# Altium PCB IMPORT PCB1.PcbDoc (continued)
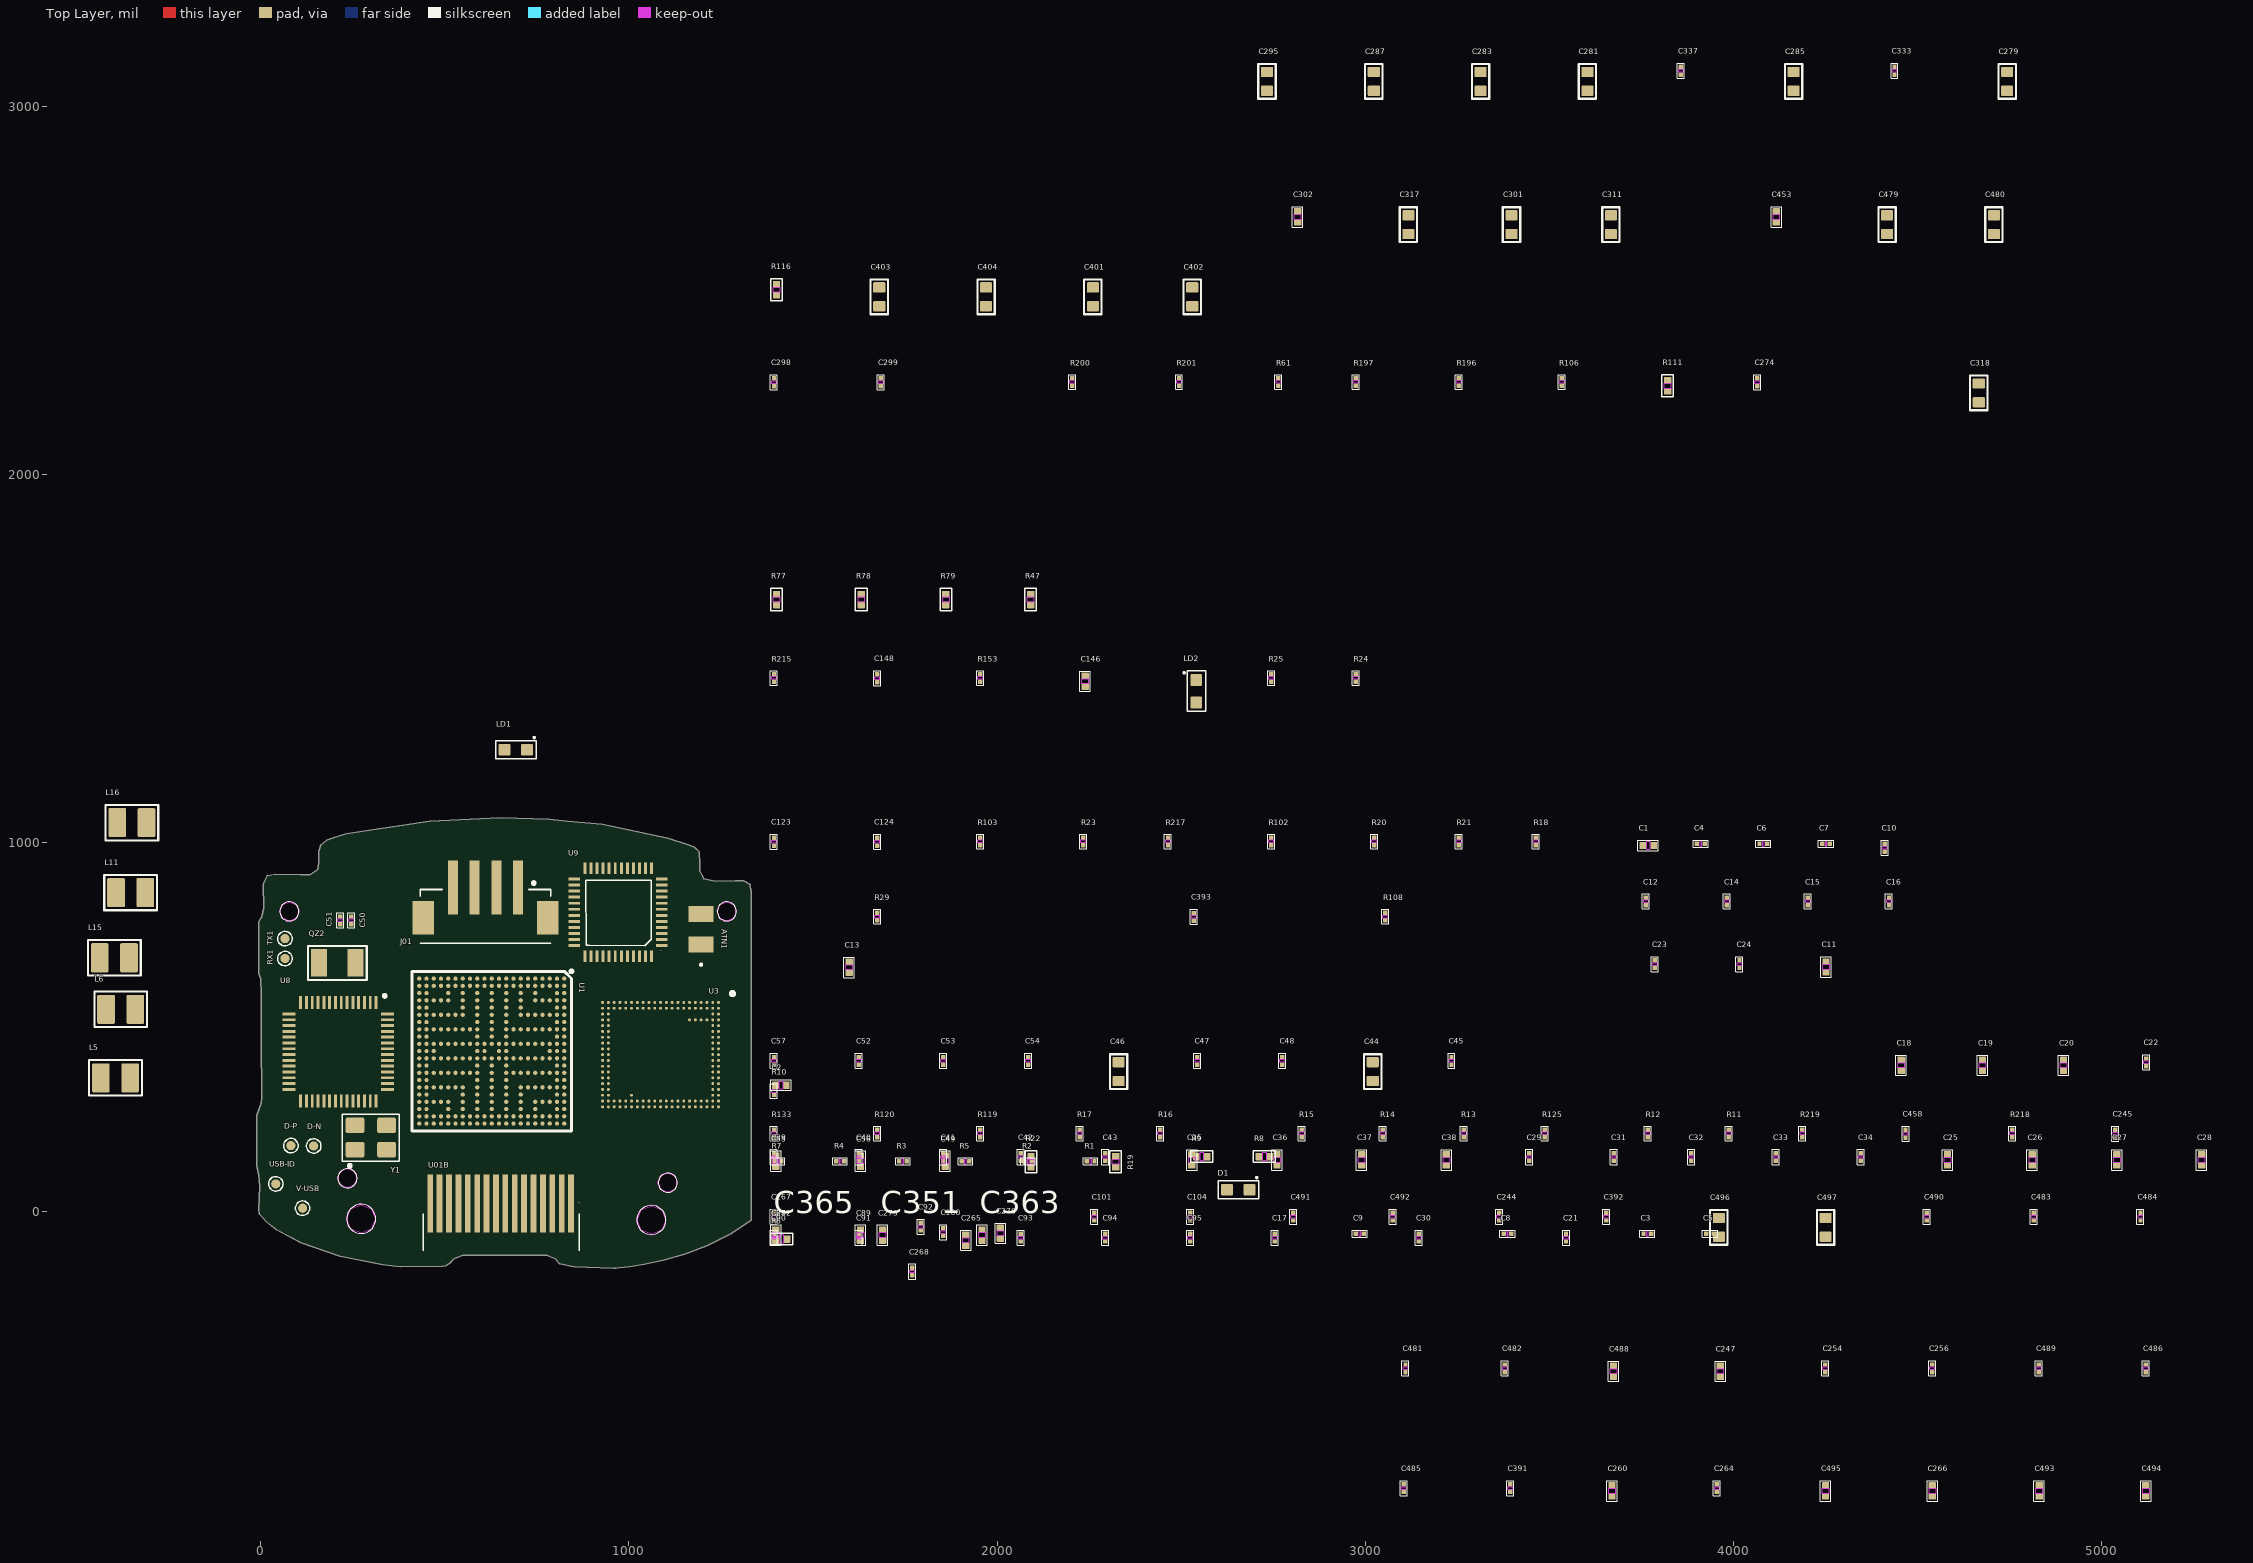
[diagram p0: Top Layer view]
## Components (designator, comment, footprint, x,y, rotation, side; value= is the part's Value field where it differs from the comment) (continued)
USB-ID "Test Pin1" "Test Pin" 41,74 r90 top
V-USB "Test Pin1" "Test Pin" 114,8 r90 top
Y1 "24MHz" OSCCC320X250X60 299.09,199.93 r90 top

## Footprints (in the part's own frame and the unit in brackets; to place one, negate y for a bottom-side part, rotate by r counter-clockwise, add the part's x,y. Pads: shape width x height; smd on the part's side, far side on the other; paste and mask are expansions set on the pad)
"0201_CC - C" [mil] "0201_CC\By AAR"
  rrect15% 12x12 smd mask+1.97: 1(-10.51,0) 2(10.51,0)
  Top Layer keep-out region: -2.64,7.87 -2.64,-7.87 2.64,-7.87 2.64,7.87 -2.64,7.87
  Top Layer keep-out region: -2.64,7.87 -2.64,-7.87 2.64,-7.87 2.64,7.87 -2.64,7.87
  silkscreen extent -20,-9 20,9, body extent -14,-6 14,6, height 12
0201_RES [mil] "0201_CC\By AAR"
  rrect15% 12x12 smd mask+1.97: 1(-10.51,0) 2(10.51,0)
  Top Layer keep-out region: -2.64,7.87 -2.64,-7.87 2.64,-7.87 2.64,7.87 -2.64,7.87
  Top Layer keep-out region: -2.64,7.87 -2.64,-7.87 2.64,-7.87 2.64,7.87 -2.64,7.87
  silkscreen extent -20,-9 20,9, body extent -17,-6 17,6, height 12
"0402_CC - C" [mil] "0402_CC\By AAR"
  rrect15% 18x20 smd mask+1.97: 1(-14.76,0) 2(14.76,0)
  Top Layer keep-out region: -5.75,10 -5.75,-10 5.75,-10 5.75,10 -5.75,10
  Top Layer keep-out region: -5.75,10 -5.75,-10 5.75,-10 5.75,10 -5.75,10
  silkscreen extent -28,-14 28,14, body extent -23,-10 23,10, height 20
0402_CC_RES [mil] "0402_CC_INDUCTOR\By AAR"
  rrect15% 18x20 smd mask+3.15: 1(-14.76,0) 2(14.76,0)
  Top Layer keep-out region: -5.75,10 -5.75,-10 5.75,-10 5.75,10 -5.75,10
  Top Layer keep-out region: -5.75,10 -5.75,-10 5.75,-10 5.75,10 -5.75,10
  silkscreen extent -30,-16 30,16, body extent -20,-10 20,10, height 19
0603_CC [mil] "CAP_NP_0603_CC_DISCRETE_1MM_150\By AAR"
  rrect20% 28x33 smd mask+3.15: 1(-25.59,0) 2(25.59,0)
  silkscreen extent -47,-24 47,24, body extent -37,-16 37,16, height 32
BGA306C50P21X21_1100X1100X101 [mm]
  round 0.29 smd: A1(-5,5) A2(-4.5,5) A3(-4,5) A4(-3.5,5) A5(-3,5) A6(-2.5,5) A7(-2,5) A8(-1.5,5) A9(-1,5) A10(-0.5,5) A11(0,5) A12(0.5,5) A13(1,5) A14(1.5,5) A15(2,5) A16(2.5,5) A17(3,5) A18(3.5,5) A19(4,5) A20(4.5,5) A21(5,5) AA1(-5,-5) AA2(-4.5,-5) AA3(-4,-5) AA4(-3.5,-5) AA5(-3,-5) AA6(-2.5,-5) AA7(-2,-5) AA8(-1.5,-5) AA9(-1,-5) AA10(-0.5,-5) AA11(0,-5) AA12(0.5,-5) AA13(1,-5) AA14(1.5,-5) AA15(2,-5) AA16(2.5,-5) AA17(3,-5) AA18(3.5,-5) AA19(4,-5) AA20(4.5,-5) AA21(5,-5) B1(-5,4.5) B2(-4.5,4.5) B3(-4,4.5) B4(-3.5,4.5) B5(-3,4.5) B6(-2.5,4.5) B7(-2,4.5) B8(-1.5,4.5) B9(-1,4.5) B10(-0.5,4.5) B11(0,4.5) B12(0.5,4.5) B13(1,4.5) B14(1.5,4.5) B15(2,4.5) B16(2.5,4.5) B17(3,4.5) B18(3.5,4.5) B19(4,4.5) B20(4.5,4.5) B21(5,4.5) C1(-5,4) C2(-4.5,4) C4(-3.5,4) C6(-2.5,4) C8(-1.5,4) C10(-0.5,4) C11(0,4) C12(0.5,4) C14(1.5,4) C16(2.5,4) C18(3.5,4) C20(4.5,4) C21(5,4) D1(-5,3.5) D2(-4.5,3.5) D4(-3.5,3.5) D6(-2.5,3.5) D8(-1.5,3.5) D10(-0.5,3.5) D12(0.5,3.5) D14(1.5,3.5) D16(2.5,3.5) D18(3.5,3.5) D20(4.5,3.5) D21(5,3.5) E1(-5,3) E2(-4.5,3) E3(-4,3) E4(-3.5,3) E6(-2.5,3) E8(-1.5,3) E10(-0.5,3) E12(0.5,3) E14(1.5,3) E16(2.5,3) E18(3.5,3) E19(4,3) E20(4.5,3) E21(5,3) F1(-5,2.5) F2(-4.5,2.5) F6(-2.5,2.5) F8(-1.5,2.5) F10(-0.5,2.5) F12(0.5,2.5) F14(1.5,2.5) F16(2.5,2.5) F20(4.5,2.5) F21(5,2.5) G1(-5,2) G2(-4.5,2) G3(-4,2) G4(-3.5,2) G5(-3,2) G6(-2.5,2) G8(-1.5,2) G10(-0.5,2) G12(0.5,2) G14(1.5,2) G16(2.5,2) G17(3,2) G18(3.5,2) G19(4,2) G20(4.5,2) G21(5,2) H1(-5,1.5) H2(-4.5,1.5) H8(-1.5,1.5) H10(-0.5,1.5) H12(0.5,1.5) H14(1.5,1.5) H20(4.5,1.5) H21(5,1.5) J1(-5,1) J2(-4.5,1) J3(-4,1) J4(-3.5,1) J5(-3,1) J6(-2.5,1) J7(-2,1) J8(-1.5,1) J9(-1,1) J10(-0.5,1) J11(0,1) J12(0.5,1) J13(1,1) J14(1.5,1) J15(2,1) J16(2.5,1) J17(3,1) J18(3.5,1) J19(4,1) J20(4.5,1) J21(5,1) K1(-5,0.5) K2(-4.5,0.5) K10(-0.5,0.5) K11(0,0.5) K12(0.5,0.5) K20(4.5,0.5) K21(5,0.5) L1(-5,0) L2(-4.5,0) L3(-4,0) L4(-3.5,0) L5(-3,0) L6(-2.5,0) L7(-2,0) L8(-1.5,0) L9(-1,0) L10(-0.5,0) L12(0.5,0) L13(1,0) L14(1.5,0) L15(2,0) L16(2.5,0) L17(3,0) L18(3.5,0) L19(4,0) L20(4.5,0) L21(5,0) M1(-5,-0.5) M2(-4.5,-0.5) M10(-0.5,-0.5) M11(0,-0.5) M12(0.5,-0.5) M20(4.5,-0.5) M21(5,-0.5) N1(-5,-1) N2(-4.5,-1) N3(-4,-1) N4(-3.5,-1) N5(-3,-1) N6(-2.5,-1) N7(-2,-1) N8(-1.5,-1) N9(-1,-1) N10(-0.5,-1) N11(0,-1) N12(0.5,-1) N13(1,-1) N14(1.5,-1) N15(2,-1) N16(2.5,-1) N17(3,-1) N18(3.5,-1) N19(4,-1) N20(4.5,-1) N21(5,-1) P1(-5,-1.5) P2(-4.5,-1.5) P8(-1.5,-1.5) P10(-0.5,-1.5) P12(0.5,-1.5) P14(1.5,-1.5) P20(4.5,-1.5) P21(5,-1.5) R1(-5,-2) R2(-4.5,-2) R3(-4,-2) R4(-3.5,-2) R5(-3,-2) R6(-2.5,-2) R8(-1.5,-2) R10(-0.5,-2) R12(0.5,-2) R14(1.5,-2) R16(2.5,-2) R17(3,-2) R18(3.5,-2) R19(4,-2) R20(4.5,-2) R21(5,-2) T1(-5,-2.5) T2(-4.5,-2.5) T6(-2.5,-2.5) T8(-1.5,-2.5) T10(-0.5,-2.5) T12(0.5,-2.5) T14(1.5,-2.5) T16(2.5,-2.5) T20(4.5,-2.5) T21(5,-2.5) U1(-5,-3) U2(-4.5,-3) U3(-4,-3) U4(-3.5,-3) U6(-2.5,-3) U8(-1.5,-3) U10(-0.5,-3) U12(0.5,-3) U14(1.5,-3) U16(2.5,-3) U18(3.5,-3) U19(4,-3) U20(4.5,-3) U21(5,-3) V1(-5,-3.5) V2(-4.5,-3.5) V4(-3.5,-3.5) V6(-2.5,-3.5) V8(-1.5,-3.5) V10(-0.5,-3.5) V12(0.5,-3.5) V14(1.5,-3.5) V16(2.5,-3.5) V18(3.5,-3.5) V20(4.5,-3.5) V21(5,-3.5) W1(-5,-4) W2(-4.5,-4) W4(-3.5,-4) W6(-2.5,-4) W8(-1.5,-4) W10(-0.5,-4) W11(0,-4) W12(0.5,-4) W14(1.5,-4) W16(2.5,-4) W18(3.5,-4) W20(4.5,-4) W21(5,-4) Y1(-5,-4.5) Y2(-4.5,-4.5) Y3(-4,-4.5) Y4(-3.5,-4.5) Y5(-3,-4.5) Y6(-2.5,-4.5) Y7(-2,-4.5) Y8(-1.5,-4.5) Y9(-1,-4.5) Y10(-0.5,-4.5) Y11(0,-4.5) Y12(0.5,-4.5) Y13(1,-4.5) Y14(1.5,-4.5) Y15(2,-4.5) Y16(2.5,-4.5) Y17(3,-4.5) Y18(3.5,-4.5) Y19(4,-4.5) Y20(4.5,-4.5) Y21(5,-4.5)
  silkscreen extent -5.6,-5.5 5.5,5.6, body extent -5.5,-5.5 5.5,5.5, height 1.01
"CAM Footprint" [mm]
  rect 4x0.4 smd: 1(0,0) 2(0,0.647) 3(0,1.295) 4(0,1.942) 5(0,2.59) 6(0,3.237) 7(0,3.885) 8(0,4.532) 9(0,5.18) 10(0,5.827) 11(0,6.475) 12(0,7.122) 13(0,7.77) 14(0,8.417) 15(0,9.065) 16(0,9.712)
  silkscreen extent -3.26,-0.56 -0.7,10.19
FBGA144C40P19X21_800X950X80 [mm] "BGA, 144-Leads, Body 8.00x9.50mmx0.80mm, Pitch 0.40mm"
  round 0.2 smd: A1(-3.6,4) A2(-3.2,4) A3(-2.8,4) A4(-2.4,4) A5(-2,4) A6(-1.6,4) A7(-1.2,4) A8(-0.8,4) A9(-0.4,4) A10(0,4) A11(0.4,4) A12(0.8,4) A13(1.2,4) A14(1.6,4) A15(2,4) A16(2.4,4) A17(2.8,4) A18(3.2,4) A19(3.6,4) AA1(-3.6,-4) AA2(-3.2,-4) AA3(-2.8,-4) AA4(-2.4,-4) AA5(-2,-4) AA6(-1.6,-4) AA7(-1.2,-4) AA8(-0.8,-4) AA9(-0.4,-4) AA10(0,-4) AA11(0.4,-4) AA12(0.8,-4) AA13(1.2,-4) AA14(1.6,-4) AA15(2,-4) AA16(2.4,-4) AA17(2.8,-4) AA18(3.2,-4) AA19(3.6,-4) B1(-3.6,3.6) B2(-3.2,3.6) B3(-2.8,3.6) B4(-2.4,3.6) B5(-2,3.6) B6(-1.6,3.6) B7(-1.2,3.6) B8(-0.8,3.6) B9(-0.4,3.6) B10(0,3.6) B11(0.4,3.6) B12(0.8,3.6) B13(1.2,3.6) B14(1.6,3.6) B15(2,3.6) B16(2.4,3.6) B17(2.8,3.6) B18(3.2,3.6) B19(3.6,3.6) C1(-3.6,3.2) C2(-3.2,3.2) C18(3.2,3.2) C19(3.6,3.2) D1(-3.6,2.8) D2(-3.2,2.8) D18(3.2,2.8) D19(3.6,2.8) E1(-3.6,2.4) E2(-3.2,2.4) E18(3.2,2.4) E19(3.6,2.4) F1(-3.6,2) F2(-3.2,2) F18(3.2,2) F19(3.6,2) G1(-3.6,1.6) G2(-3.2,1.6) G18(3.2,1.6) G19(3.6,1.6) H1(-3.6,1.2) H2(-3.2,1.2) H18(3.2,1.2) H19(3.6,1.2) J1(-3.6,0.8) J2(-3.2,0.8) J18(3.2,0.8) J19(3.6,0.8) K1(-3.6,0.4) K2(-3.2,0.4) K18(3.2,0.4) K19(3.6,0.4) L1(-3.6,0) L2(-3.2,0) L18(3.2,0) L19(3.6,0) M1(-3.6,-0.4) M2(-3.2,-0.4) M18(3.2,-0.4) M19(3.6,-0.4) N1(-3.6,-0.8) N2(-3.2,-0.8) N18(3.2,-0.8) N19(3.6,-0.8) P1(-3.6,-1.2) P2(-3.2,-1.2) P18(3.2,-1.2) P19(3.6,-1.2) R1(-3.6,-1.6) R2(-3.2,-1.6) R18(3.2,-1.6) R19(3.6,-1.6) T(-2.4,3.2) T(-2.4,2) T(-2.4,2.4) T(-2.4,2.8) T1(-3.6,-2) T2(-3.2,-2) T18(2.8,-2) T18(3.2,-2) T19(3.6,-2) U1(-3.6,-2.4) U2(-3.2,-2.4) U18(3.2,-2.4) U19(3.6,-2.4) V1(-3.6,-2.8) V2(-3.2,-2.8) V18(3.2,-2.8) V19(3.6,-2.8) W1(-3.6,-3.2) W2(-3.2,-3.2) W18(3.2,-3.2) W19(3.6,-3.2) Y1(-3.6,-3.6) Y2(-3.2,-3.6) Y3(-2.8,-3.6) Y4(-2.4,-3.6) Y5(-2,-3.6) Y6(-1.6,-3.6) Y7(-1.2,-3.6) Y8(-0.8,-3.6) Y9(-0.4,-3.6) Y10(0,-3.6) Y11(0.4,-3.6) Y12(0.8,-3.6) Y13(1.2,-3.6) Y14(1.6,-3.6) Y15(2,-3.6) Y16(2.4,-3.6) Y17(2.8,-3.6) Y18(3.2,-3.6) Y19(3.6,-3.6)
  silkscreen extent -4.33,4.84 -4.09,5.09, body extent -4,-4.75 4,4.75, height 0.8
ind_sph2520 [mil] "INDUCTOR_IND_SPH2520_DISCRETE_1\By AAR"
  rrect15% 48x79 smd mask+3.94: 1(-39.75,0) 2(39.75,0)
  silkscreen extent -72,-48 72,48, body extent -49,-39 50,39, height 53
JST_B4B-ZR-SM4-TFT(LF)(SN) [mm]
  rect 0.7x3.7 smd: 1(-2.25,-2) 2(-0.75,-2) 3(0.75,-2) 4(2.25,-2)
  rect 1.5x2.3 smd: S1(4.3,0.1) S2(-4.3,0.1)
  silkscreen extent -4.5,-2.4 4.5,1.85, body extent -4.5,-3.35 4.5,1.85, height 5
LED_0603 [mil] "LED_0603\AAR"
  rrect20% 33x31 smd mask+1.97: A(-30.51,0) C(30.51,0)
  silkscreen extent -55,-25 55,35, body extent -32,-16 31,16, height 8
M310220 [mm]
  rect 1.1x1.7 smd: 1(-1.05,0) 2(1.05,0)
  silkscreen extent -2.5,-0.05 -2.4,0.05, body extent -1.53,-0.75 1.47,0.75, height 1.08
OSCCC320X250X60 [mm]
  rrect25% 1.09x1.29 smd: 1(-0.84,1.09) 2(-0.84,-1.09) 3(0.84,-1.09) 4(0.84,1.09)
  silkscreen extent -2.05,-1.98 1.62,1.98, body extent -1.25,-1.6 1.25,1.6, height 0.83
QFN40P700X700X100-57N-D [mm]
  rect 0.9x0.2 smd: 1(-3.4,2.6) 2(-3.4,2.2) 3(-3.4,1.8) 4(-3.4,1.4) 5(-3.4,1) 6(-3.4,0.6) 7(-3.4,0.2) 8(-3.4,-0.2) 9(-3.4,-0.6) 10(-3.4,-1) 11(-3.4,-1.4) 12(-3.4,-1.8) 13(-3.4,-2.2) 14(-3.4,-2.6) 29(3.4,-2.6) 30(3.4,-2.2) 31(3.4,-1.8) 32(3.4,-1.4) 33(3.4,-1) 34(3.4,-0.6) 35(3.4,-0.2) 36(3.4,0.2) 37(3.4,0.6) 38(3.4,1) 39(3.4,1.4) 40(3.4,1.8) 41(3.4,2.2) 42(3.4,2.6)
  rect 0.2x0.9 smd: 15(-2.6,-3.4) 16(-2.2,-3.4) 17(-1.8,-3.4) 18(-1.4,-3.4) 19(-1,-3.4) 20(-0.6,-3.4) 21(-0.2,-3.4) 22(0.2,-3.4) 23(0.6,-3.4) 24(1,-3.4) 25(1.4,-3.4) 26(1.8,-3.4) 27(2.2,-3.4) 28(2.6,-3.4) 43(2.6,3.4) 44(2.2,3.4) 45(1.8,3.4) 46(1.4,3.4) 47(1,3.4) 48(0.6,3.4) 49(0.2,3.4) 50(-0.2,3.4) 51(-0.6,3.4) 52(-1,3.4) 53(-1.4,3.4) 54(-1.8,3.4) 55(-2.2,3.4) 56(-2.6,3.4)
  silkscreen extent -3.95,3.1 -3.75,3.3, body extent -3.55,-3.55 3.55,3.55, height 1
RTL8723DS-CG [mm]
  rect 0.8x0.2 smd: 1(0,0) 2(0,-0.418) 3(0,-0.836) 4(0,-1.254) 5(0,-1.672) 6(0,-2.09) 7(0,-2.508) 8(0,-2.926) 9(0,-3.344) 10(0,-3.761) 11(0,-4.179) 12(0,-4.597) 25(6.045,-4.597) 26(6.045,-4.179) 27(6.045,-3.761) 28(6.045,-3.344) 29(6.045,-2.926) 30(6.045,-2.508) 31(6.045,-2.09) 32(6.045,-1.672) 33(6.045,-1.254) 34(6.045,-0.836) 35(6.045,-0.418) 36(6.045,0)
  rect 0.2x0.8 smd: 13(0.711,-5.334) 14(1.129,-5.334) 15(1.547,-5.334) 16(1.965,-5.334) 17(2.383,-5.334) 18(2.801,-5.334) 19(3.219,-5.334) 20(3.637,-5.334) 21(4.055,-5.334) 22(4.473,-5.334) 23(4.891,-5.334) 24(5.309,-5.334) 37(5.309,0.737) 38(4.891,0.737) 39(4.473,0.737) 40(4.055,0.737) 41(3.637,0.737) 42(3.219,0.737) 43(2.801,0.737) 44(2.383,0.737) 45(1.965,0.737) 46(1.547,0.737) 47(1.129,0.737) 48(0.711,0.737)
  silkscreen extent 0.74,-4.52 5.25,0, body extent -0.66,-5.91 6.74,1.29, height 0.5
"Test Pin" [mil]
  round 25 smd: 1(0,0)
  silkscreen extent -20,-20 20,20
"XTAL_ABS07-32.768KHZ-T - duplicate" [mm] "XTAL_ABS07-32.768KHZ-T\By AAR"
  rect 1.1x1.9 smd: 1(-1.25,0) 2(1.25,0)
  silkscreen extent -2.02,-1.18 2.04,1.18, body extent -1.6,-0.75 1.6,0.75, height 0.9

## Part data
ATN1: "Antennas Ceramic Chip ANTENNA BT/WLAN 2.4-2.5GHz", Manufacturer_Name="Kyocera AVX", Geometry.Height=1.18mm, Manufacturer_Part_Number=M310220
C1 C4 C6 C7 C10 C11 C12 C14 C15 C16: library part CAP_NP
  C1 C4 C6 C10 C11 C12 C14 C16: CLASS=DISCRETE
C2 C363: library part CAP_NP, "CAP CER 2.2uF 10V 10% X5R 0402", Package Size=0402, Tolerance=10%, Voltage=10V, AGILE_PN=150-78974, CAD_APPROVED=Yes, CLASS=DISCRETE, FPLIST=CC0402_25,CC0402_HD,0402_CC, HEIGHT="0.55 MM", MFG_NAME01=TDK, MFG_PN01=C1005X5R1A225K, PCB Footprint=0402_CC, ROHS=Yes
C3 C5 C8 C9 C17 C21 C30 C100 C101 C104 C148 C244 C264 C392 C393 C485 C486 C491 C492: library part CAP_NP, "CAP CER 0.22UF 10V 20% X5R 0201", Tolerance=20%, Voltage=10V, AGILE_PN=150-78815, CAD_APPROVED=Yes, CLASS=DISCRETE, HEIGHT=0.33MM, MFG_NAME01="Taiyo Yuden", MFG_PN01=LMK063BJ224MP-F, PCB Footprint=0201_CC, ROHS=Yes
  C3 C5 C8 C9 C17 C21 C100 C101 C104 C148 C264 C392 C393 C485 C486 C491 C492: FPLIST=CC0201,CC0201_HD,0201_CC
  C30: FPLIST=CC0201,CC0201_HD,0201_CC,0201_CC_012SM_NSP
  C244: FPLIST=CC0201,CC0201_HD,0201_CC,CC_0201_CIR,0201_CC_012SM_NSP
C13 C146 C260 C302 C453: library part CAP_NP, "CAP CER 4.7uF 10V 10% X5R 0402", Tolerance=10%, Voltage=10V, AGILE_PN=150-80044, CAD_APPROVED=Yes, CLASS=DISCRETE, FPLIST=CC0402_25,CC0402_HD,0402_CC, HEIGHT=0.65MM, MFG_NAME01="Samsung Electro Mechanics", MFG_PN01=CL05A475KP5NRNC, PCB Footprint=0402_CC, ROHS=Yes
C18 C19 C20 C25 C26 C27 C28 C35 C36 C37 C38 C50: library part CAP_NP, Voltage=6.3V, CLASS=DISCRETE
C22 C23 C24 C29 C31 C32 C33 C34 C39 C40 C41 C42 C43 C44 C45 C46 C47 C48 C51 C52 C53 C54: library part CAP_NP, Voltage=10V, CLASS=DISCRETE
C49 C55 C56: library part CAP_NP, "CAP CER 10PF 25V 5% C0G 0402", Package Size="Paper Tape (7\" Reel)", Package Type=0402, Tolerance=5%, Voltage=25V, AGILE_PN=150-30134, CAD_APPROVED=Yes, CLASS=DISCRETE, FPLIST=CC0402_25,CC0402_HD,0402_CC, HEIGHT="0.635 MM", MFG_NAME01="VENKEL COMPANY", MFG_PN01=C0402C0G250-100JNP, PCB Footprint=0402_CC, ROHS=Yes
  C55 C56: ASSY_OPT=DNP
C57 C90 C91 C92 C93 C94 C95 C254 C256 C267 C274 C333 C337 C391 C458 C481 C482 C483 C484 C489 C490: library part CAP_NP, "CAP CER 1uF 6.3V 20% X5R 0201", Package Size=0201, Package Type="7¡± reel", Tolerance=20%, Voltage=6.3V, AGILE_PN=150-79407, CAD_APPROVED=Yes, CLASS=DISCRETE, FPLIST=CC0201,CC0201_HD,0201_CC,0201_CC_012SM_NSP, HEIGHT=0.35MM, MFG_NAME01=AVX, MFG_PN01=02016D105MAT2A, PCB Footprint=0201_CC, ROHS=Yes
  C458: ASSY_OPT=DNP
C88 C89 C247 C265 C266 C488 C493 C494 C495: library part CAP_NP, "CAP CER 10UF 6.3V 20% X5R 0402", Tolerance=20%, Voltage=6.3V, AGILE_PN=150-79163, CAD_APPROVED=Yes, CLASS=DISCRETE, FPLIST=CC0402_25,CC0402_HD,0402_CC, HEIGHT="0.65 MM", MFG_NAME01="SAMSUNG ELECTRO MECHANICS", MFG_PN01=CL05A106MQ5NUNC, PCB Footprint=0402_CC, ROHS=Yes
C123 C124: library part CAP_NP, "CAP CER 12PF 25V 5% C0G AEC-Q200 0201", Tolerance=5%, Voltage=25V, AGILE_PN=150-79813, CAD_APPROVED=Yes, CLASS=DISCRETE, FPLIST=CC0201,CC0201_HD,0201_CC, HEIGHT=0.33MM, MFG_NAME01=TDK, MFG_PN01=CGA1A2C0G1E120J030BA, PCB Footprint=0201_CC, ROHS=Yes
C245 C298 C299: library part CAP_NP, "CAP CER 18pF 50V 5% C0G 0201", Package Size=0201, Package Type="&#966;180mm Paper taping", Tolerance=5%, Voltage=50V, AGILE_PN=150-79476, CAD_APPROVED=Yes, CLASS=DISCRETE, FPLIST=CC0201,CC0201_HD,0201_CC, HEIGHT=0.33MM, MFG_NAME01=MURATA, MFG_PN01=GRM0335C1H180JA01D, PCB Footprint=0201_CC, ROHS=Yes
C268: library part CAP_NP, "CAP CER 2200PF 16V 10% X7R 0201", Tolerance=20%, Voltage=16V, AGILE_PN=150-78660, CAD_APPROVED=Yes, CLASS=DISCRETE, FPLIST=CC0201,CC0201_HD,0201_CC, HEIGHT="0.33 MM", MFG_NAME01=MURATA, MFG_PN01=GRM033R71C222KA88D, PCB Footprint=0201_CC, ROHS=Yes
C272 C351 C365: library part CAP_NP, "CAP CER 1uF 10V 10% X7S 0402", Package Size=0402, Temp Range="-55C - 125C", Tolerance=10%, Voltage=10, AGILE_PN=150-80357, CAD_APPROVED=Yes, CLASS=DISCRETE, FPLIST=CC0402_25,CC0402_HD,0402_CC, HEIGHT=0.6MM, MFG_NAME01=MURATA, MFG_PN01=GRM155C71A105KE11D, PCB Footprint=0402_CC, ROHS=Yes, Temp_Range="-55C - 125C"
C273 C276: library part CAP_NP, "CAP CER 1.0UF 10V 10% X5R 0402", Package Size=0402, Voltage=10V, AGILE_PN=150-75772, CAD_APPROVED=Yes, CLASS=DISCRETE, FPLIST=CC0402_25,CC0402_HD,0402_CC, HEIGHT=0.6MM, MFG_NAME01="YAGEO AMERICA", MFG_PN01=CC0402KRX5R6BB105, PCB Footprint=0402_CC, ROHS=Yes
C279 C281 C295 C301 C401 C402: library part CAP_NP, "CAP CER 10.0uF 16V 10% X5R 0603", Package Size=0603, Package Type=SMT, Temp Range="-55¡ãC to +85¡ãC", Tolerance=10%, Voltage=16V, AGILE_PN=150-80060, CAD_APPROVED=Yes, CLASS=DISCRETE, FPLIST=CC0603_OV,CC0603,0603_CC,cc0603_0805_nsp, HEIGHT=0.9MM, MFG_NAME01=MURATA, MFG_PN01=GRM188R61C106KAALD, PCB Footprint=CC0603, ROHS=Yes, Temp_Range="-55¡ãC to +85¡ãC"
C283 C285 C287 C311 C317 C318 C403 C404 C479 C480 C496 C497: library part CAP_NP, "CAP CER 22uF 10V 20% X5R 0603", Package Size=0603, Tolerance=20%, Voltage=10V, AGILE_PN=150-79530, CAD_APPROVED=Yes, CLASS=DISCRETE, FPLIST=CC0603_OV,CC0603,0603_CC, HEIGHT=1MM, MFG_NAME01=TDK, MFG_PN01=C1608X5R1A226M080AC, PCB Footprint=CC0603, ROHS=Yes, SIGNAL_MODEL=DEFAULT_CAPACITOR_2.2e+07pF_2_1, WVDC=6.3V
  C287 C479 C480: ASSY_OPT=DNP
D1 LD1 LD2: library part LED, "LED GRN SGL 25MA SMT 0603", Voltage=2V, AGILE_PN=370-76672, CAD_APPROVED=Yes, CLASS=IC, HEIGHT="0.8 MM", MFG_NAME01=DIALIGHT, MFG_PN01=598-8070-107F, PCB Footprint=LED_0603, ROHS=Yes
J01: library part "Header 4", LatestRevisionDate=17-Jul-2002, LatestRevisionNote="Re-released for DXP Platform.", Publisher="Altium Limited"
L5 L6 L11 L15 L16: library part INDUCTOR, "IND PWR 0.47uH@1MHZ 4.7A 20% SMT", Temp Range="-40¡ãC to +125¡ãC", Tolerance=20%, AGILE_PN=180-78647, CAD_APPROVED=Yes, CLASS=DISCRETE, HEIGHT=1.2MM, MFG_NAME01="SHENZHEN SUNLORD ELECTRONICS CO., LTD", MFG_PN01=WPN252012ER47MT, PART_TYPE=INDUCTOR\POWER, PCB Footprint=ind_sph2520, ROHS=Yes, Temp_Range="-40¡ãC to +125¡ãC", TOL=20%
  L16: ASSY_OPT=DNP
QZ2: library part XTAL, "XTAL 32.768KHZ 12.5PF 20PPM 3.2X1.5MM SMT", AGILE_PN=230-77653, CAD_APPROVED=Yes, CLASS=IC, HEIGHT=0.9MM, MFG_NAME01="Abracon Corporation", MFG_PN01=ABS07-32.768KHZ-T, PCB Footprint=XTAL2-3P2X1P5-SM, ROHS=Yes
R1 R2 R7: library part RES, "RES MF 240 OHM 1/20W 1% 0201", Temp Range="-55¡ãC ~ 125¡ãC", Tolerance=1%, Voltage=25V, AGILE_PN=470-81317, CAD_APPROVED=Yes, CLASS=DISCRETE, FPLIST=CC0201,CC0201_HD,0201_CC, HEIGHT=0.26MM, MFG_NAME01="YAGEO AMERICA", MFG_PN01=RC0201FR-07240RL, PCB Footprint=0201_CC, ROHS=Yes, Temp_Range="-55¡ãC ~ 125¡ãC"
R3 R4 R5 R18 R23 R119 R120 R153: library part RES, "RES MF 10K 1/20W 5% 0201", Tolerance=5%, AGILE_PN=470-79719, CAD_APPROVED=Yes, CLASS=DISCRETE, FPLIST=RC0201,0201_CC, HEIGHT="0.26 MM", MFG_NAME01="RALEC ELECTRONIC CORP", MFG_PN01=RTT01103JTH, PCB Footprint=0201_CC, ROHS=Yes
  R3 R5 R119 R120: ASSY_OPT=DNP
R6 R8 R9 R19 R22 R111 R116: library part RES, "RES MF ZERO OHM 1/16W 5% 0402", Tolerance=5%, Voltage=1/16W, AGILE_PN=470-75394, CAD_APPROVED=Yes, CLASS=DISCRETE, HEIGHT="0.45 MM", MFG_NAME01="YAGEO AMERICA", MFG_PN01=RC0402JR-070RL, PCB Footprint=0402_CC, ROHS=Yes
  R6: ASSY_OPT=DNP, FPLIST=RC0402_25,RC0402_HD,RC0402_X2,0402_CC
  R8 R9 R19 R22: FPLIST=RC0402_25,RC0402_HD,RC0402_X2,0402_CC, SIGNAL_MODEL=DEFAULT_RESISTOR_10000OHM_2_1, TOL=1%
  R111: SIGNAL_MODEL=DEFAULT_RESISTOR_10000OHM_2_1, TOL=1%
  R116: ASSY_OPT=DNP
R10 R11 R12 R13 R14 R15 R16 R17 R133 R196 R197 R200 R201: library part RES, "RES MF 4.7K 1/20W 5% AEC-Q200 0201", Temp Range="-55C to +155C", Tolerance=5%, AGILE_PN=470-79700, CAD_APPROVED=Yes, CLASS=DISCRETE, FPLIST=RC0201,0201_CC, HEIGHT=0.25MM, MFG_NAME01="KOA SPEER", MFG_PN01=RK73B1HTTC472J, PCB Footprint=0201_CC, ROHS=Yes, Temp_Range="-55C to +155C"
  R12 R13 R14 R15 R16 R17 R196 R197 R200 R201: ASSY_OPT=DNP
R20 R21 R61 R102 R103 R106 R217 R219: library part RES, "RES MF 100K 1/20W 1% 0201", Tolerance=1%, AGILE_PN=470-77704, CAD_APPROVED=Yes, CLASS=DISCRETE, FPLIST=RC0201,0201_CC, HEIGHT=0.26MM, MFG_NAME01=SKYMOS, MFG_PN01=RC-0201-104FT, PCB Footprint=0201_CC, ROHS=Yes
  R61 R102 R106 R217 R219: ASSY_OPT=DNP
R24 R25 R125 R218: library part RES, "RES MF 1.0K OHM 1/20W 1% 30V -55+155C 0201", Temp Range="-55¡ãC ~ 155¡ãC", Tolerance=1%, Voltage=30, AGILE_PN=470-82221, CAD_APPROVED=Yes, CLASS=DISCRETE, FPLIST=RC0201,0201_CC, HEIGHT=0.28MM, MFG_NAME01="VISHAY INTERTECHNOLOGY", MFG_PN01=CRCW02011K00FNED, PCB Footprint=0201_CC, ROHS=Yes, Temp_Range="-55¡ãC ~ 155¡ãC"
  R218: ASSY_OPT=DNP
R29: library part RES, "RES MF 200 OHM 1/20W 1% 0201", Temp Range="-55¡ãC ~ 125¡ãC", Tolerance=1%, Voltage=25V, AGILE_PN=470-82323, CAD_APPROVED=Yes, CLASS=DISCRETE, FPLIST=RC0201,0201_CC, HEIGHT=0.26MM, MFG_NAME01="YAGEO AMERICA", MFG_PN01=RC0201FR-07200RL, PCB Footprint=0201_CC, ROHS=Yes, Temp_Range="-55¡ãC ~ 125¡ãC"
R47 R77 R78 R79: library part RES, "RES MF 10K 1/16W 5% 0402", Tolerance=5%, AGILE_PN=470-75557, ASSY_OPT=DNP, CAD_APPROVED=Yes, CLASS=DISCRETE, FPLIST=RC0402_25,RC0402_HD,0402_CC, HEIGHT="0.4 MM", MFG_NAME01="VISHAY INTERTECHNOLOGY", MFG_PN01=CRCW040210K0JNED, PCB Footprint=0402_CC, ROHS=Yes, TOL=5%
R108: library part RES, "RES MF 30K 1/20W 1% 0201", Temp Range="-55¡ãC ~ 155¡ãC", Tolerance=1%, Voltage=25V, AGILE_PN=470-81353, CAD_APPROVED=Yes, CLASS=DISCRETE, FPLIST=RC0201,0201_CC, HEIGHT=0.26MM, MFG_NAME01="YAGEO AMERICA", MFG_PN01=RC0201FR-0730KL, PCB Footprint=0201_CC, ROHS=Yes, Temp_Range="-55¡ãC ~ 155¡ãC"
R215: library part RES, "RES MF 12K 1/20W 1% 0201", Tolerance=1%, Voltage=1/20W, AGILE_PN=470-77701, CAD_APPROVED=Yes, CLASS=DISCRETE, FPLIST=RC0201,0201_CC, HEIGHT=0.26MM, MFG_NAME01=SKYMOS, MFG_PN01=RC-0201-123FT, PCB Footprint=0201_CC, ROHS=Yes
U1: library part MIMX8MN, "IC CPU QUAD CORTEX A53+M7 1.4GHZ -- BGA306", Temp Range="-40¡ãC to 105¡ãC", AGILE_PN=TMP-CIP-5098, CAD_APPROVED=Yes, CLASS=IC, HEIGHT=1.01MM, MFG_NAME01="NXP SEMICONDUCTORS", MFG_PN01=MIMX8MN5CVPIZAA, PCB Footprint=pbga306_0p5_sq11mm, PRE_APN=330-77152, ROHS=Yes
U8: library part PCA9450_HVQFN56P_A, "IC POWER MANAGEMENT 2.7-5.5V HVQFN56", Temp Range="-40C to +105C", Voltage=2.7-5.5V, AGILE_PN=TMP-WF-36197, CAD_APPROVED=Yes, CLASS=IC, HEIGHT=1MM, MFG_NAME01="NXP SEMICONDUCTORS", MFG_PN01=PCA9450BHN, PCB Footprint=hvqfn56_0p4_7x7_ep4p7mm, PRE_APN=315-82314, ROHS=Yes, SPLIT_INST=TRUE, SWAP_INFO=(S1+S2+S3), Temp_Range="-40C to +105C"
Y1: library part XTAL_13, "XTAL 24MHZ 9pF -- SMT 3.2X2.5MM", AGILE_PN=230-77392, CAD_APPROVED=Yes, CLASS=IC, HEIGHT=0.60MM, MFG_NAME01="EPSON TOYOCOM CORPORATION", MFG_PN01="TSX-3225 24.0000MF15X-AC3", PCB Footprint=xtlosc4_3p2x2p5mm_sm, ROHS=Yes

## Nets (pads, with @x,y where several pads share a name; then routed paths per layer and width w, separated by ;. In a path a pad name is that pad's centre, name@x,y a point inside that pad or via, vN(x,y) a via of type N, cw(c..) or ccw(c..) an arc to the next point about the centre after c; other vN are vias at no path point)
BOOT_MODE0: R47.1 U1.G16
BOOT_MODE1: R79.1 U1.G18
BOOT_MODE2: R78.1 U1.F16
BOOT_MODE3: R77.1 U1.G17
BT_CTS: U1.B10
BT_CTS_RES: U9.26
BT_RXD: TX1.1 U1.E10
BT_RXD_RES: U9.25
BT_TXD: RX1.1 U1.A9
BT_TXD_RES: U9.27
BT_WAKE_DEV: U1.T20
BT_WAKE_HOST: U1.R20 U9.18 U9.19
CLK_32K_OUT: U8.7
CLKIN1: U1.E20
CLKIN2: U1.F20
CLKOUT1: U1.E21
CLKOUT2: U1.F21
CSI_CK_N: U01B.1
CSI_CK_P: U01B.2
CSI_CKN: U1.A13
CSI_CKP: U1.B13
CSI_D0_N: U01B.3
CSI_D0_P: U01B.4
CSI_D1_N: U01B.5
CSI_D1_P: U01B.6
CSI_D2_N: U01B.7
CSI_D2_P: U01B.8
CSI_D3_N: U01B.9
CSI_D3_P: U01B.10
CSI_DN0: U1.A11
CSI_DN1: U1.A12
CSI_DN2: U1.A14
CSI_DN3: U1.A15
CSI_DP0: U1.B11
CSI_DP1: U1.B12
CSI_DP2: U1.B14
CSI_DP3: U1.B15
DDR_ADDR0: U1.Y3
DDR_ADDR1: U1.AA2
DDR_ADDR2: U1.Y2
DDR_ADDR3: U1.L5
DDR_ADDR4: U1.Y1
DDR_ADDR5: U1.M1 U3.Y5
DDR_ADDR6: U1.L1 U3.AA6
DDR_ADDR7: U1.M2 U3.Y7
DDR_ADDR8: U1.L2 U3.AA7
DDR_ADDR9: U1.E4
DDR_ADDR10: U1.W1
DDR_ADDR11: U1.R2 U3.Y13
DDR_ADDR12: U1.R1 U3.AA13
DDR_ADDR13: U1.AA3
DDR_ADDR14: U1.G4 U3.Y9
DDR_ADDR15: U1.D4
DDR_BA0: U1.V4
DDR_BA1: U1.W2
DDR_BA2: U1.G5 U3.AA9
DDR_CAS_B: U1.U2
DDR_CKE0: U1.P1 U3.Y11
DDR_CKE1: U1.N1
DDR_CLK_N: U1.J5
DDR_CLK_P: U1.J4
DDR_CS_B: U1.N2 U3.Y12
DDR_DM0: U1.B2 U3.U19
DDR_DM1: U1.H2 U3.U1
DDR_DQ0: U1.B3 U3.M19
DDR_DQ1: U1.A2 U3.M18
DDR_DQ2: U1.A3 U3.N18
DDR_DQ3: U1.B4 U3.P19
DDR_DQ4: U1.E2 U3.W19
DDR_DQ5: U1.D1 U3.W18
DDR_DQ6: U1.C1 U3.Y17
DDR_DQ7: U1.D2 U3.Y16
DDR_DQ8: U1.G1 U3.M1
DDR_DQ9: U1.H1 U3.M2
DDR_DQ10: U1.J1 U3.N2
DDR_DQ11: U1.J2 U3.P1
DDR_DQ12: U1.K1 U3.W1
DDR_DQ13: U1.K2 U3.W2
DDR_DQ14: U1.F2 U3.Y3
DDR_DQ15: U1.E1 U3.AA4
DDR_DQS0_N: U1.C2 U3.R18
DDR_DQS0_P: U1.B1 U3.R19
DDR_DQS1_N: U1.F1 U3.R2
DDR_DQS1_P: U1.G2 U3.R1
DDR_ODT: U1.V1
DDR_RAS_B: U1.U4
DDR_WE_B: U1.V2
DRAM_nRESET: R4.2 U1.N4 U3.F1
ECSPI2_MISO: U1.B5
ECSPI2_MOSI: U1.A6
ECSPI2_SCLK: U1.A4
ECSPI2_SS0: U1.A5
ENET_MDC: U1.Y18
ENET_MDIO: U1.T16
ENET_RD0: U1.AA19
ENET_RD1: U1.Y15
ENET_RD2: U1.Y16
ENET_RD3: U1.AA16
ENET_RX_CTL: U1.V16
ENET_RXC: U1.U16
ENET_TD0: U1.U18
ENET_TD1: U1.AA18
ENET_TD2: U1.V18
ENET_TD3: U1.AA17
ENET_TX_CTL: U1.Y17
ENET_TXC: U1.Y19
GND: ATN1.2 C1.1 C2.2 C3.2 C4.1 C5.2 C6.1 C7.1 C8.2 C9.2 C10.1 C11.1 C12.1 C13.2 C14.1 C15.1 C16.1 C17.2 C18.2 C19.2 C20.2 C21.2 C22.2 C23.2 C24.2 C25.2 C26.2 C27.2 C28.2 C29.2 C30.2 C31.2 C32.2 C33.2 C34.2 C35.2 C36.2 C37.2 C38.2 C39.2 C40.2 C41.2 C42.2 C43.2 C44.2 C45.2 C46.2 C47.2 C48.2 C50.2 C51.2 C52.2 C53.2 C54.2 C55.2 C56.2 C57.2 C88.2 C89.2 C90.2 C91.2 C92.2 C93.2 C94.2 C95.2 C100.2 C101.2 C104.2 C123.2 C124.2 C146.2 C148.2 C244.2 C245.2 C247.2 C254.2 C256.2 C260.2 C264.2 C265.2 C266.2 C267.2 C268.2 C272.2 C273.1 C274.1 C276.2 C279.2 C281.2 C283.2 C285.2 C287.2 C295.2 C298.2 C299.2 C301.2 C302.2 C311.2 C317.2 C318.2 C333.2 C337.2 C351.2 C363.2 C365.2 C391.2 C392.2 C393.2 C401.1 C402.1 C403.2 C404.2 C453.2 C479.2 C480.2 C481.2 C482.2 C483.2 C484.2 C485.2 C486.2 C488.2 C489.2 C490.2 C491.2 C492.2 C493.2 C494.2 C495.2 C496.2 C497.2 J01.2 LD1.C LD2.C R4.1 R7.1 R18.2 R23.2 R29.2 R103.2 R215.2 U1.A1 U1.A21 U1.AA1 U1.AA21 U1.B20 U1.C4 U1.C6 U1.C8 U1.C10 U1.C12 U1.C14 U1.C16 U1.C18 U1.E3 U1.E19 U1.G3 U1.G19 U1.H8 U1.H10 U1.H12 U1.H14 U1.J3 U1.J8 U1.J14 U1.J19 U1.K11 U1.L3 U1.L8 U1.L14 U1.L19 U1.M11 U1.N3 U1.N8 U1.N14 U1.N19 U1.P8 U1.P10 U1.P12 U1.P14 U1.R3 U1.R19 U1.U3 U1.U19 U1.W4 U1.W6 U1.W8 U1.W10 U1.W12 U1.W14 U1.W16 U1.W18 U3.A2 U3.A3 U3.A5 U3.A6 U3.A16 U3.A18 U3.AA2 U3.AA8 U3.AA12 U3.AA17 U3.AA18 U3.B1 U3.B2 U3.B4 U3.B9 U3.B11 U3.B14 U3.B16 U3.B19 U3.C1 U3.C18 U3.C19 U3.F2 U3.H1 U3.H2 U3.H18 U3.H19 U3.L1 U3.L19 U3.P2 U3.P18 U3.T1 U3.T19 U3.U2 U3.U18 U3.Y1 U3.Y6 U3.Y10 U3.Y15 U3.Y19 U8.5 U8.43 U9.35 U9.39 Y1.2 Y1.4
GPIO1_IO01: U1.R8
GPIO1_IO05: U1.T8
GPIO1_IO06: U1.Y8
GPIO1_IO07: U1.U8
GPIO1_IO08: U1.V10
GPIO1_IO09: U1.AA9
GPIO1_IO10: U1.AA10
GPIO1_IO11: U1.Y11
GPIO1_IO12: U1.U10
GPIO1_IO13: U1.T10
GPIO1_IO14: U1.Y10
GPIO1_IO15: U1.AA11
I2C1_SCL: R10.2 U1.B7
I2C1_SDA: R11.2 U1.A7
I2C2_SCL: R12.2 U1.F10
I2C2_SDA: R13.2 U1.D8
I2C3_SCL: R14.2 U1.F8
I2C3_SDA: R15.2 U1.E8
I2C4_SCL: R16.2 U1.B8
I2C4_SDA: R17.2 U1.A8
JTAG_MOD: R23.1 U1.D18
JTAG_TCK: R18.1 U1.D21
JTAG_TDI: U1.C21
JTAG_TDO: U1.D20
JTAG_TMS: 
JTAG_TMS_R: U1.E18
LX1: L6.1 U8.36 U8.37
LX2: L5.1 U8.45 U8.46
LX4: L11.1 U8.19 U8.20
LX5: U8.15
LX6: L15.1 U8.50 U8.51
M.2_32K_OUT: R116.2
NetATN1_1: ATN1.1 C49.2 C56.1
NetC49_1: C49.1 C55.1 U9.48
NetC148_1: C148.1 R153.2 R215.1
NetC245_1: C245.1 U1.H21
NetC268_1: C268.1 U1.D12
NetC458_2: C458.2 R218.2
NetD1_A: D1.A R125.2
NetD1_C: D1.C
NetL16_1: L16.1 U8.31 U8.32
NetLD1_A: LD1.A R24.2
NetLD2_A: LD2.A R25.2
NetR1_2: R1.2 U3.G2
NetR2_2: R2.2 U3.G1
NetR7_2: R7.2 U1.U1
NetR24_1: R24.1 U9.44
NetR25_1: R25.1 U9.42
NetR29_1: R29.1 U1.B16
NetR48_2: U8.41
NetR51_2: U8.39
NetR52_2: U8.40
NetR54_2: U8.42
NetR55_2: R106.2 U8.28
NetR108_1: R108.1 U1.A16
NetR111_1: R111.1 U8.6
NetR114_1: U8.9
NetR127_2: U8.8
NetR195_1: U8.30
NetR200_2: R200.2 U8.24
NetR201_2: R201.2 U8.25
NetRSTm_1: U3.A17
NVCC_1V8: C3.1 C5.1 C18.1 C19.1 C20.1 C21.1 C22.1 C23.1 C24.1 C146.1 C266.1 C317.1 C404.1 C493.1 C494.1 R3.1 R5.1 R6.2 R10.1 R11.1 R12.1 R13.1 R14.1 R15.1 R16.1 R17.1 R47.2 R61.2 R77.2 R78.2 R79.2 R106.1 R196.1 R197.1 U1.G10 U1.L15 U1.N15 U3.AA15 U3.B5 U3.J1 U3.J2 U3.J18 U3.J19 U3.Y4 U8.14
NVCC_3V3: C1.2 C4.2 C6.2 C7.2 C8.1 C10.2 C11.2 C12.2 C14.2 C15.2 C16.2 C30.1 C44.1 C45.1 C46.1 C47.1 C48.1 C260.1 C264.1 C276.1 C311.1 C403.1 C495.1 L11.2 R125.1 R153.1 R200.1 R201.1 U1.F14 U1.G8 U1.R10 U3.A4 U3.A8 U3.A11 U3.A13 U3.A15 U3.B3 U3.B6 U3.B10 U3.B18 U3.C2 U8.21 U8.22 U9.1 U9.2 U9.6 U9.7 U9.10 U9.12 U9.14 U9.37 U9.38 U9.41
NVCC_DRAM: C25.1 C26.1 C27.1 C28.1 C29.1 C31.1 C32.1 C33.1 C34.1 C50.1 C51.1 C52.1 C53.1 C54.1 U3.AA5 U3.K1 U3.K2 U3.K18 U3.K19 U3.N1 U3.N19 U3.V1 U3.V19 U3.Y2 U3.Y8 U3.Y14 U3.Y18 U9.3 U9.5 U9.8 U9.9 U9.13 U9.40
NVCC_DRAM_1V35: C88.1 C89.1 C90.1 C91.1 C92.1 C93.1 C94.1 C95.1 C318.1 C491.1 C492.1 L15.2 U1.G6 U1.J6 U1.J7 U1.L6 U1.N6 U1.N7 U1.R6 U8.52
NVCC_ENET: C2.1 C392.1 R6.1 R218.1 R219.2 U1.R12
NVCC_SD2: C17.1 C365.1 R119.1 R120.1 R133.1 U1.R16 U8.55
NVCC_SNVS_1V8: C333.1 C391.1 R20.1 R21.1 R102.1 R217.1 U1.G14 U8.3
ONOFF: R21.2 U1.E14
PDM_CLK: U1.V14
PDM_DATA0: U1.U12
PDM_DATA1: U1.T14
PDM_DATA2: U1.V12
PDM_DATA3: U1.U14
PHY_VREF: U1.L4
PMIC_nINT: R61.1 U1.Y9 U8.13
PMIC_ON_REQ: R217.2 U1.E16
PMIC_STBY_REQ: U1.A19
PMIC_WDOG_B: R219.1
POR_B: R20.2 U1.A18
QSPIA_DATA0: U1.M21
QSPIA_DATA1: U1.J20
QSPIA_DATA2: U1.M20
QSPIA_DATA3: U1.K21
QSPIA_nSS0: U1.L21
QSPIA_SCLK: U1.J17
R_SNSP1: U8.38
R_SNSP2: U8.44
REF_CLK_32K: R116.1 U1.V8
REG_PD_B: U1.R18
RTC_RESET_B: R102.2 R111.2 U1.B18
SAI2_MCLK: U1.Y12
SAI2_RXC: U1.AA15
SAI2_RXD: R9.2 U1.AA14
SAI2_RXD_RES: R9.1 U9.22
SAI2_RXFS: U1.Y13
SAI2_TXC: R22.2 U1.AA13
SAI2_TXC_1P8: R196.2 U8.27
SAI2_TXC_3P3: 
SAI2_TXC_RES: R22.1 U9.24
SAI2_TXD: R8.2 U1.Y14
SAI2_TXD_1P8: R197.2 U8.26
SAI2_TXD_3P3: 
SAI2_TXD_RES: R8.1 U9.21
SAI2_TXFS: R19.2 U1.AA12
SAI2_TXFS_RES: R19.1 U9.23
SAI3_MCLK: U1.AA5
SAI3_RXC: U1.Y6
SAI3_RXD: U1.AA6
SAI3_RXFS: U1.Y4
SAI3_TXC: U1.Y5
SAI3_TXD: U1.AA4
SAI3_TXFS: U1.Y7
SAI5_MCLK: U1.W11
SAI5_RXFS: U1.T12
SD1_CLK: U1.R21 U9.31
SD1_CMD: U1.T21 U9.32
SD1_DATA0: U1.N18 U9.30
SD1_DATA1: U1.N17 U9.29
SD1_DATA2: U1.N21 U9.34
SD1_DATA3: U1.P20 U9.33
SD1_STROBE: U1.R17
SD2_CLK: U1.Y21
SD2_CMD: R120.2 U1.V21
SD2_DATA0: R119.2 U1.AA20
SD2_DATA1: U1.U21
SD2_DATA2: U1.W20
SD2_DATA3: U1.V20
SD2_nCD: U1.U20
SD2_nRST: R133.2 U1.Y20
SD2_VSEL: U1.AA7 U8.29
SD2_WP: U1.W21
SD3_CLK: U1.J16 U3.A10
SD3_CMD: R3.2 U1.J21 U3.B17
SD3_DATA0: R5.2 U1.L18 U3.A9
SD3_DATA1: U1.J18 U3.B7
SD3_DATA2: U1.N20 U3.B12
SD3_DATA3: U1.G20 U3.B13
SD3_DATA4: U1.G21 U3.B8
SD3_DATA5: U1.L16 U3.A7
SD3_DATA6: U1.L20 U3.A12
SD3_DATA7: U1.K20 U3.A14
SD3_STROBE: U1.H20 U3.B15
SPDIF_EXT_CLK: U1.T6
SPDIF_RX: U1.U6
SPDIF_TX: U1.V6
SW2_OUT: C285.1 L5.2
SW_EN: U8.12
SWOUT_3V3: C273.2 U8.23
SYS_nRST: 
SYS_STATUS: U1.L17
TS_RES_EXT: R103.1 U1.D16
UART1_RTS: U1.E12
UART2_RXD: U1.B9
UART2_TXD: U1.C11
UART3_CTS: U1.D6
UART3_RTS: U1.B6
UART3_RXD: U1.E6
UART3_TXD: U1.F6
UART4_RXD: U1.A10
UART4_TXD: U1.D10
USB1_DN: D-N.1 U1.A17
USB1_DP: D-P.1 U1.B17
USB1_ID: U1.D14 USB-ID.1
USB1_VBUS: C393.1 R108.2 V-USB.1
VDD_ARM: C35.1 C36.1 C37.1 C38.1 C39.1 C40.1 C41.1 C42.1 C43.1 R1.1 R2.1 U3.AA3 U3.AA16 U3.L2 U3.L18 U3.T2 U3.T18 U3.V2 U3.V18
VDD_PHY_1V2: C244.1 C351.1 U1.F12 U8.1
VDD_SNVS_0V8: C9.1 C337.1 U1.J15 U8.2
VDD_SOC_0V9: C247.1 C254.1 C256.1 C283.1 C287.1 C479.1 C480.1 C481.1 C482.1 C483.1 C484.1 C485.1 C486.1 C488.1 C489.1 C490.1 C496.1 C497.1 L6.2 L16.2 U1.J9 U1.J10 U1.J11 U1.J12 U1.J13 U1.K10 U1.K12 U1.L9 U1.L10 U1.L12 U1.L13 U1.M10 U1.M12 U1.N9 U1.N10 U1.N11 U1.N12 U1.N13
VDDA_1V8: C100.1 C101.1 C104.1 C265.1 C267.1 C363.1 U1.G12 U1.L7 U1.R14 U8.54
VINT: C274.2 U8.4
VSYS_5V: C13.1 C272.1 C279.1 C281.1 C295.1 C301.1 C302.1 C401.2 C402.2 C453.1 J01.1 U8.16 U8.17 U8.18 U8.33 U8.34 U8.35 U8.47 U8.48 U8.49 U8.53 U8.56
WDOG_B: C458.1 U1.AA8
WIFI_1V8: C57.1 U9.28
WL_WAKE_DEV: U1.P21
WL_WAKE_HOST: U1.N16 U9.20
XIN_32K: C298.1 QZ2.2 U8.10
XOUT_32K: C299.1 QZ2.1 U8.11
XTALI_24M: C123.1 U1.B21 Y1.3
XTALI_32K: U1.A20
XTALO_24M: C124.1 U1.C20 Y1.1
XTALO_32K: U1.B19
pads on no net: J01.3 J01.4 J01.S1 J01.S2 U1.N5 U1.P2 U1.R4 U1.R5 U1.T1 U1.T2 U01B.11 U01B.12 U01B.13 U01B.14 U01B.15 U01B.16 U3.A1 U3.A19 U3.AA1 U3.AA10 U3.AA11 U3.AA14 U3.AA19 U3.D1 U3.D2 U3.D18 U3.D19 U3.E1 U3.E2 U3.E18 U3.E19 U3.F18 U3.F19 U3.G18 U3.G19 U3.T U9.4 U9.11 U9.15 U9.16 U9.17 U9.36 U9.43 U9.45 U9.46 U9.47

## Other copper
Multi-Layer:
  pour cut-out: 1024.53,-24 ccw(c1061,-24) 1061,-60.47 ccw(c1061,-24) 1097.47,-24 ccw(c1061,-24) 1061,12.47 ccw(c1061,-24)

## Silkscreen, mask and mechanical layers (free items; w line width, h text height)
Top Overlay:
  circle w1: c1105.85,77.28 r26
  circle w1: c235.86,89.28 r26
  circle w1: c1266.06,813.96 r26
  circle w1: c78,814 r26
  circle w2: c273,-21 r39.56
  circle w2: c1061,-24 r39.56
  pour cut-out: 1079.85,77.28 ccw(c1105.85,77.28) 1105.85,51.28 ccw(c1105.85,77.28) 1131.85,77.28 ccw(c1105.85,77.28) 1105.85,103.28 ccw(c1105.85,77.28)
  pour cut-out: 209.86,89.28 ccw(c235.86,89.28) 235.86,63.28 ccw(c235.86,89.28) 261.86,89.28 ccw(c235.86,89.28) 235.86,115.28 ccw(c235.86,89.28)
  pour cut-out: 52,814 ccw(c78,814) 78,788 ccw(c78,814) 104,814 ccw(c78,814) 78,840 ccw(c78,814)
  pour cut-out: 52,814 ccw(c78,814) 78,788 ccw(c78,814) 104,814 ccw(c78,814) 78,840 ccw(c78,814)
  pour cut-out: 52,814 ccw(c78,814) 78,788 ccw(c78,814) 104,814 ccw(c78,814) 78,840 ccw(c78,814)
  pour cut-out: 52,814 ccw(c78,814) 78,788 ccw(c78,814) 104,814 ccw(c78,814) 78,840 ccw(c78,814)
  pour cut-out: 1021.44,-24 ccw(c1061,-24) 1061,-63.56 ccw(c1061,-24) 1100.56,-24 ccw(c1061,-24) 1061,15.56 ccw(c1061,-24)
Mechanical 1:
  lines w0.5: -10.46,123.5 -10.46,260.05 1.53,293.25 2.37,309.56 1.95,468.71 1.95,588.94 0.56,631.06 -5.58,645.43 -5.58,782.68 -5.3,785.88 -3.07,789.93 2.79,798.72 7.95,823.4 7.39,887.98 17.29,910.44 37.24,914.2 108.09,913.37 134.25,913.54 154.96,926.9 157.33,946.42 157.33,968.32 157.89,975.71 163.19,994.4 179.07,1006.7 198.2,1014.07 232.23,1024.53 458.53,1059.32 650.26,1068 783.13,1063.62 832.82,1059.26 927.67,1051.17 1106.48,1012.26 1160.32,994.68 1178.49,988.06 1191.42,975.16 1192.82,945.03 1193.03,922.59 1202.86,903.18 1234.24,895.23 1289.2,896.77 1311.08,897.05 1329.09,887.28 1328.81,887.42 1332.72,866.78 1332.44,746.97 1332.44,61.01 1332.44,-21.84 1332.02,-24.35 1330.49,-25.88 1274.42,-63.13 1212.49,-93.81 1150.7,-116.82 1092.54,-133.42 1041.35,-144.44 1000.62,-151 973.7,-154.2 964.08,-155.04 958.08,-155.18 850.96,-151.42 811.63,-142.91 801.03,-129.94 777.59,-119.34 648.71,-119.34 548.71,-119.34 524.89,-128.96 516.35,-139 503.17,-147.95 494.59,-149.46 378.87,-150.89 332.93,-145.42 325.68,-144.3 215.81,-122.39 109.91,-86.14 42.26,-50.01 16.18,-29.65 -3.21,-8.03 -4.61,5.36 -2.79,67.57 -4.75,98.39 -10.46,123.5 ; 51.6,813.78 59.34,795.03 77.97,787.28 96.59,795.03 104.33,813.78 96.59,832.52 77.97,840.28 59.34,832.52 51.6,813.78 ; 209.08,89.47 216.82,70.72 235.44,62.96 254.06,70.72 261.8,89.47 254.06,108.21 235.44,115.97 216.82,108.16 209.08,89.47 ; 233.62,-21.28 245.1,-48.86 272.68,-60.34 300.26,-48.86 311.73,-21.28 300.26,6.3 272.68,17.77 245.1,6.3 233.62,-21.28 ; 1022.52,-24.21 1033.99,-51.79 1061.57,-63.26 1089.15,-51.79 1100.62,-24.21 1089.15,3.37 1061.57,14.84 1033.99,3.37 1022.52,-24.21 ; 1067.15,77.05 1074.7,57.73 1092.81,49.71 1117.22,49.71 1135.39,57.73 1142.89,77.05 1135.34,96.37 1117.22,104.39 1092.81,104.39 1074.65,96.37 1067.15,77.05 ; 1239.41,813.78 1247.15,795.03 1265.77,787.28 1284.39,795.03 1292.13,813.78 1284.39,832.52 1265.77,840.28 1247.15,832.52 1239.41,813.78

## Text inside footprints (layer, text, board x,y; h text height)
L5: Mechanical 46 "2" at -344.66,359.18 h10; Mechanical 46 "1" at -424.16,358.51 h10
L6: Mechanical 46 "2" at -330.41,545.18 h10; Mechanical 46 "1" at -409.91,544.51 h10
L11: Mechanical 46 "2" at -303.41,862.18 h10; Mechanical 46 "1" at -382.91,861.51 h10
L15: Mechanical 46 "2" at -347.66,685.18 h10; Mechanical 46 "1" at -427.16,684.51 h10
L16: Mechanical 46 "2" at -300.16,1052.18 h10; Mechanical 46 "1" at -379.66,1051.51 h10